# Allegro board LED_FIN.brd

Outline 317.7 x 402 mm; copper layers: TOP, BOTTOM. Coordinates in mm from the lower left corner of the outline.
Outline path: rectangle 0,0 317.7,402

## Design rules (mm)
nets with their own width: nets COL_CON_A0
nets with their own width: min track width 0.6; nets ROW_OUT_A0 ROW_OUT_A1 ROW_OUT_A2 ROW_OUT_A3 ROW_OUT_A4 ROW_OUT_A5 ROW_OUT_A6 ROW_OUT_A7 ROW_OUT_A8 ROW_OUT_A9 ROW_OUT_A10 ROW_OUT_A11 ROW_OUT_A12 ROW_OUT_A13 ROW_OUT_A14 ROW_OUT_A15 ROW_OUT_A16 ROW_OUT_A17 ROW_OUT_A18 ROW_OUT_A19 ROW_OUT_A20 ROW_OUT_A21 ROW_OUT_A22 ROW_OUT_A23 ROW_OUT_A24 ROW_OUT_A25 ROW_OUT_A26 ROW_OUT_A27 ROW_OUT_A28 ROW_OUT_A29 ROW_OUT_A30 ROW_OUT_A31 ROW_OUT_A32 ROW_OUT_A33 ROW_OUT_A34 ROW_OUT_A35 ROW_OUT_A36 ROW_OUT_A37 ROW_OUT_B0 ROW_OUT_B1 ROW_OUT_B2 ROW_OUT_B3 ROW_OUT_B4 ROW_OUT_B5 ROW_OUT_B6 ROW_OUT_B7 ROW_OUT_B8 ROW_OUT_B9 ROW_OUT_B10 ROW_OUT_B11 ROW_OUT_B12 ROW_OUT_B13 ROW_OUT_B14 ROW_OUT_B15 ROW_OUT_B16 ROW_OUT_B17 ROW_OUT_B18 ROW_OUT_B19 ROW_OUT_B20 ROW_OUT_B21 ROW_OUT_B22 ROW_OUT_B23 ROW_OUT_B24 ROW_OUT_B25 ROW_OUT_B26 ROW_OUT_B27 ROW_OUT_B28 ROW_OUT_B29 ROW_OUT_B30 ROW_OUT_B31 ROW_OUT_B32 ROW_OUT_B33 ROW_OUT_B34 ROW_OUT_B35 ROW_OUT_B36 ROW_OUT_B37 ROW_OUT_C0 ROW_OUT_C1 ROW_OUT_C2 ROW_OUT_C3 ROW_OUT_C4 ROW_OUT_C5 ROW_OUT_C6 ROW_OUT_C7 ROW_OUT_C8 ROW_OUT_C9 ROW_OUT_C10 ROW_OUT_C11 ROW_OUT_C12 ROW_OUT_C13 ROW_OUT_C14 ROW_OUT_C15 ROW_OUT_C16 ROW_OUT_C17 ROW_OUT_C18 ROW_OUT_C19 ROW_OUT_C20 ROW_OUT_C21 ROW_OUT_C22 ROW_OUT_C23 ROW_OUT_C24 ROW_OUT_C25 ROW_OUT_C26 ROW_OUT_C27 ROW_OUT_C28 ROW_OUT_C29 ROW_OUT_C30 ROW_OUT_C31 ROW_OUT_C32 ROW_OUT_C33 ROW_OUT_C34 ROW_OUT_C35 ROW_OUT_C36 ROW_OUT_C37
nets with their own width: min track width 1.5; nets 3.3V DC_LED
nets with their own width: min track width 3; nets DC_FPGA

## Placement (name value [footprint] x y rotation side)
CBST  100nF  [SMD_0402]  29.6 19.75 90 top
CBYP  1uF  [SMD_0402]  17.55 21.3 270 top
CCOMP1  5.6nF  [SMD_0402]  17.55 26.4 270 top
CCOMP2  150pF  [SMD_0402]  18.95 24.1 90 top
CCOMP3  1.5nF  [SMD_0402]  29.6 23.3 90 top
CIN  22uF  [SMD_0603]  17.45 31.75 270 top
COUT  47uF  [SMD_0603]  14 34.2 0 top
CSS  3.3uF  [SMD_0402]  17.55 28.1 270 top
CVCC  1uF  [SMD_0402]  17.55 29.8 270 top
D1  0603_LED  [0603_SINGLE]  37.25 392 0 top
D2  0603_LED  [0603_SINGLE]  39.25 392 0 top
D3  0603_LED  [0603_SINGLE]  41.25 392 0 top
D4  0603_LED  [0603_SINGLE]  43.25 392 0 top
D5  0603_LED  [0603_SINGLE]  45.25 392 0 top
D6  0603_LED  [0603_SINGLE]  47.25 392 0 top
D7  0603_LED  [0603_SINGLE]  49.25 392 0 top
D8  0603_LED  [0603_SINGLE]  51.25 392 0 top
D9  0603_LED  [0603_SINGLE]  53.25 392 0 top
D10  0603_LED  [0603_SINGLE]  55.25 392 0 top
D11  0603_LED  [0603_SINGLE]  57.25 392 0 top
D12  0603_LED  [0603_SINGLE]  59.25 392 0 top
D13  0603_LED  [0603_SINGLE]  61.25 392 0 top
D14  0603_LED  [0603_SINGLE]  63.25 392 0 top
D15  0603_LED  [0603_SINGLE]  65.25 392 0 top
D16  0603_LED  [0603_SINGLE]  67.25 392 0 top
D17  0603_LED  [0603_SINGLE]  69.25 392 0 top
D18  0603_LED  [0603_SINGLE]  71.25 392 0 top
D19  0603_LED  [0603_SINGLE]  73.25 392 0 top
D20  0603_LED  [0603_SINGLE]  75.25 392 0 top
D21  0603_LED  [0603_SINGLE]  77.25 392 0 top
D22  0603_LED  [0603_SINGLE]  79.25 392 0 top
D23  0603_LED  [0603_SINGLE]  81.25 392 0 top
D24  0603_LED  [0603_SINGLE]  83.25 392 0 top
D25  0603_LED  [0603_SINGLE]  85.25 392 0 top
D26  0603_LED  [0603_SINGLE]  87.25 392 0 top
D27  0603_LED  [0603_SINGLE]  89.25 392 0 top
D28  0603_LED  [0603_SINGLE]  91.25 392 0 top
D29  0603_LED  [0603_SINGLE]  93.25 392 0 top
D30  0603_LED  [0603_SINGLE]  95.25 392 0 top
D31  0603_LED  [0603_SINGLE]  37.25 390 0 top
D32  0603_LED  [0603_SINGLE]  39.25 390 0 top
D33  0603_LED  [0603_SINGLE]  41.25 390 0 top
D34  0603_LED  [0603_SINGLE]  43.25 390 0 top
D35  0603_LED  [0603_SINGLE]  45.25 390 0 top
D36  0603_LED  [0603_SINGLE]  47.25 390 0 top
D37  0603_LED  [0603_SINGLE]  49.25 390 0 top
D38  0603_LED  [0603_SINGLE]  51.25 390 0 top
D39  0603_LED  [0603_SINGLE]  53.25 390 0 top
D40  0603_LED  [0603_SINGLE]  55.25 390 0 top
D41  0603_LED  [0603_SINGLE]  57.25 390 0 top
D42  0603_LED  [0603_SINGLE]  59.25 390 0 top
D43  0603_LED  [0603_SINGLE]  61.25 390 0 top
D44  0603_LED  [0603_SINGLE]  63.25 390 0 top
D45  0603_LED  [0603_SINGLE]  65.25 390 0 top
D46  0603_LED  [0603_SINGLE]  67.25 390 0 top
D47  0603_LED  [0603_SINGLE]  69.25 390 0 top
D48  0603_LED  [0603_SINGLE]  71.25 390 0 top
D49  0603_LED  [0603_SINGLE]  73.25 390 0 top
D50  0603_LED  [0603_SINGLE]  75.25 390 0 top
D51  0603_LED  [0603_SINGLE]  77.25 390 0 top
D52  0603_LED  [0603_SINGLE]  79.25 390 0 top
D53  0603_LED  [0603_SINGLE]  81.25 390 0 top
D54  0603_LED  [0603_SINGLE]  83.25 390 0 top
D55  0603_LED  [0603_SINGLE]  85.25 390 0 top
D56  0603_LED  [0603_SINGLE]  87.25 390 0 top
D57  0603_LED  [0603_SINGLE]  89.25 390 0 top
D58  0603_LED  [0603_SINGLE]  91.25 390 0 top
D59  0603_LED  [0603_SINGLE]  93.25 390 0 top
D60  0603_LED  [0603_SINGLE]  95.25 390 0 top
D61  0603_LED  [0603_SINGLE]  37.25 388 0 top
D62  0603_LED  [0603_SINGLE]  39.25 388 0 top
D63  0603_LED  [0603_SINGLE]  41.25 388 0 top
D64  0603_LED  [0603_SINGLE]  43.25 388 0 top
D65  0603_LED  [0603_SINGLE]  45.25 388 0 top
D66  0603_LED  [0603_SINGLE]  47.25 388 0 top
D67  0603_LED  [0603_SINGLE]  49.25 388 0 top
D68  0603_LED  [0603_SINGLE]  51.25 388 0 top
D69  0603_LED  [0603_SINGLE]  53.25 388 0 top
D70  0603_LED  [0603_SINGLE]  55.25 388 0 top
D71  0603_LED  [0603_SINGLE]  57.25 388 0 top
D72  0603_LED  [0603_SINGLE]  59.25 388 0 top
D73  0603_LED  [0603_SINGLE]  61.25 388 0 top
D74  0603_LED  [0603_SINGLE]  63.25 388 0 top
D75  0603_LED  [0603_SINGLE]  65.25 388 0 top
D76  0603_LED  [0603_SINGLE]  67.25 388 0 top
D77  0603_LED  [0603_SINGLE]  69.25 388 0 top
D78  0603_LED  [0603_SINGLE]  71.25 388 0 top
D79  0603_LED  [0603_SINGLE]  73.25 388 0 top
D80  0603_LED  [0603_SINGLE]  75.25 388 0 top
D81  0603_LED  [0603_SINGLE]  77.25 388 0 top
D82  0603_LED  [0603_SINGLE]  79.25 388 0 top
D83  0603_LED  [0603_SINGLE]  81.25 388 0 top
D84  0603_LED  [0603_SINGLE]  83.25 388 0 top
D85  0603_LED  [0603_SINGLE]  85.25 388 0 top
D86  0603_LED  [0603_SINGLE]  87.25 388 0 top
D87  0603_LED  [0603_SINGLE]  89.25 388 0 top
D88  0603_LED  [0603_SINGLE]  91.25 388 0 top
D89  0603_LED  [0603_SINGLE]  93.25 388 0 top
D90  0603_LED  [0603_SINGLE]  95.25 388 0 top
D91  0603_LED  [0603_SINGLE]  37.25 386 0 top
D92  0603_LED  [0603_SINGLE]  39.25 386 0 top
D93  0603_LED  [0603_SINGLE]  41.25 386 0 top
D94  0603_LED  [0603_SINGLE]  43.25 386 0 top
D95  0603_LED  [0603_SINGLE]  45.25 386 0 top
D96  0603_LED  [0603_SINGLE]  47.25 386 0 top
D97  0603_LED  [0603_SINGLE]  49.25 386 0 top
D98  0603_LED  [0603_SINGLE]  51.25 386 0 top
D99  0603_LED  [0603_SINGLE]  53.25 386 0 top
D100  0603_LED  [0603_SINGLE]  55.25 386 0 top
D101  0603_LED  [0603_SINGLE]  57.25 386 0 top
D102  0603_LED  [0603_SINGLE]  59.25 386 0 top
D103  0603_LED  [0603_SINGLE]  61.25 386 0 top
D104  0603_LED  [0603_SINGLE]  63.25 386 0 top
D105  0603_LED  [0603_SINGLE]  65.25 386 0 top
D106  0603_LED  [0603_SINGLE]  67.25 386 0 top
D107  0603_LED  [0603_SINGLE]  69.25 386 0 top
D108  0603_LED  [0603_SINGLE]  71.25 386 0 top
D109  0603_LED  [0603_SINGLE]  73.25 386 0 top
D110  0603_LED  [0603_SINGLE]  75.25 386 0 top
D111  0603_LED  [0603_SINGLE]  77.25 386 0 top
D112  0603_LED  [0603_SINGLE]  79.25 386 0 top
D113  0603_LED  [0603_SINGLE]  81.25 386 0 top
D114  0603_LED  [0603_SINGLE]  83.25 386 0 top
D115  0603_LED  [0603_SINGLE]  85.25 386 0 top
D116  0603_LED  [0603_SINGLE]  87.25 386 0 top
D117  0603_LED  [0603_SINGLE]  89.25 386 0 top
D118  0603_LED  [0603_SINGLE]  91.25 386 0 top
D119  0603_LED  [0603_SINGLE]  93.25 386 0 top
D120  0603_LED  [0603_SINGLE]  95.25 386 0 top
D121  0603_LED  [0603_SINGLE]  37.25 384 0 top
D122  0603_LED  [0603_SINGLE]  39.25 384 0 top
D123  0603_LED  [0603_SINGLE]  41.25 384 0 top
D124  0603_LED  [0603_SINGLE]  43.25 384 0 top
D125  0603_LED  [0603_SINGLE]  45.25 384 0 top
D126  0603_LED  [0603_SINGLE]  47.25 384 0 top
D127  0603_LED  [0603_SINGLE]  49.25 384 0 top
D128  0603_LED  [0603_SINGLE]  51.25 384 0 top
D129  0603_LED  [0603_SINGLE]  53.25 384 0 top
D130  0603_LED  [0603_SINGLE]  55.25 384 0 top
D131  0603_LED  [0603_SINGLE]  57.25 384 0 top
D132  0603_LED  [0603_SINGLE]  59.25 384 0 top
D133  0603_LED  [0603_SINGLE]  61.25 384 0 top
D134  0603_LED  [0603_SINGLE]  63.25 384 0 top
D135  0603_LED  [0603_SINGLE]  65.25 384 0 top
D136  0603_LED  [0603_SINGLE]  67.25 384 0 top
D137  0603_LED  [0603_SINGLE]  69.25 384 0 top
D138  0603_LED  [0603_SINGLE]  71.25 384 0 top
D139  0603_LED  [0603_SINGLE]  73.25 384 0 top
D140  0603_LED  [0603_SINGLE]  75.25 384 0 top
D141  0603_LED  [0603_SINGLE]  77.25 384 0 top
D142  0603_LED  [0603_SINGLE]  79.25 384 0 top
D143  0603_LED  [0603_SINGLE]  81.25 384 0 top
D144  0603_LED  [0603_SINGLE]  83.25 384 0 top
D145  0603_LED  [0603_SINGLE]  85.25 384 0 top
D146  0603_LED  [0603_SINGLE]  87.25 384 0 top
D147  0603_LED  [0603_SINGLE]  89.25 384 0 top
D148  0603_LED  [0603_SINGLE]  91.25 384 0 top
D149  0603_LED  [0603_SINGLE]  93.25 384 0 top
D150  0603_LED  [0603_SINGLE]  95.25 384 0 top
D151  0603_LED  [0603_SINGLE]  37.25 382 0 top
D152  0603_LED  [0603_SINGLE]  39.25 382 0 top
D153  0603_LED  [0603_SINGLE]  41.25 382 0 top
D154  0603_LED  [0603_SINGLE]  43.25 382 0 top
D155  0603_LED  [0603_SINGLE]  45.25 382 0 top
D156  0603_LED  [0603_SINGLE]  47.25 382 0 top
D157  0603_LED  [0603_SINGLE]  49.25 382 0 top
D158  0603_LED  [0603_SINGLE]  51.25 382 0 top
D159  0603_LED  [0603_SINGLE]  53.25 382 0 top
D160  0603_LED  [0603_SINGLE]  55.25 382 0 top
D161  0603_LED  [0603_SINGLE]  57.25 382 0 top
D162  0603_LED  [0603_SINGLE]  59.25 382 0 top
D163  0603_LED  [0603_SINGLE]  61.25 382 0 top
D164  0603_LED  [0603_SINGLE]  63.25 382 0 top
D165  0603_LED  [0603_SINGLE]  65.25 382 0 top
D166  0603_LED  [0603_SINGLE]  67.25 382 0 top
D167  0603_LED  [0603_SINGLE]  69.25 382 0 top
D168  0603_LED  [0603_SINGLE]  71.25 382 0 top
D169  0603_LED  [0603_SINGLE]  73.25 382 0 top
D170  0603_LED  [0603_SINGLE]  75.25 382 0 top
D171  0603_LED  [0603_SINGLE]  77.25 382 0 top
D172  0603_LED  [0603_SINGLE]  79.25 382 0 top
D173  0603_LED  [0603_SINGLE]  81.25 382 0 top
D174  0603_LED  [0603_SINGLE]  83.25 382 0 top
D175  0603_LED  [0603_SINGLE]  85.25 382 0 top
D176  0603_LED  [0603_SINGLE]  87.25 382 0 top
D177  0603_LED  [0603_SINGLE]  89.25 382 0 top
D178  0603_LED  [0603_SINGLE]  91.25 382 0 top
D179  0603_LED  [0603_SINGLE]  93.25 382 0 top
D180  0603_LED  [0603_SINGLE]  95.25 382 0 top
D181  0603_LED  [0603_SINGLE]  37.25 380 0 top
D182  0603_LED  [0603_SINGLE]  39.25 380 0 top
D183  0603_LED  [0603_SINGLE]  41.25 380 0 top
D184  0603_LED  [0603_SINGLE]  43.25 380 0 top
D185  0603_LED  [0603_SINGLE]  45.25 380 0 top
D186  0603_LED  [0603_SINGLE]  47.25 380 0 top
D187  0603_LED  [0603_SINGLE]  49.25 380 0 top
D188  0603_LED  [0603_SINGLE]  51.25 380 0 top
D189  0603_LED  [0603_SINGLE]  53.25 380 0 top
D190  0603_LED  [0603_SINGLE]  55.25 380 0 top
D191  0603_LED  [0603_SINGLE]  57.25 380 0 top
D192  0603_LED  [0603_SINGLE]  59.25 380 0 top
D193  0603_LED  [0603_SINGLE]  61.25 380 0 top
D194  0603_LED  [0603_SINGLE]  63.25 380 0 top
D195  0603_LED  [0603_SINGLE]  65.25 380 0 top
D196  0603_LED  [0603_SINGLE]  67.25 380 0 top
D197  0603_LED  [0603_SINGLE]  69.25 380 0 top
D198  0603_LED  [0603_SINGLE]  71.25 380 0 top
D199  0603_LED  [0603_SINGLE]  73.25 380 0 top
D200  0603_LED  [0603_SINGLE]  75.25 380 0 top
D201  0603_LED  [0603_SINGLE]  77.25 380 0 top
D202  0603_LED  [0603_SINGLE]  79.25 380 0 top
D203  0603_LED  [0603_SINGLE]  81.25 380 0 top
D204  0603_LED  [0603_SINGLE]  83.25 380 0 top
D205  0603_LED  [0603_SINGLE]  85.25 380 0 top
D206  0603_LED  [0603_SINGLE]  87.25 380 0 top
D207  0603_LED  [0603_SINGLE]  89.25 380 0 top
D208  0603_LED  [0603_SINGLE]  91.25 380 0 top
D209  0603_LED  [0603_SINGLE]  93.25 380 0 top
D210  0603_LED  [0603_SINGLE]  95.25 380 0 top
D211  0603_LED  [0603_SINGLE]  37.25 378 0 top
D212  0603_LED  [0603_SINGLE]  39.25 378 0 top
D213  0603_LED  [0603_SINGLE]  41.25 378 0 top
D214  0603_LED  [0603_SINGLE]  43.25 378 0 top
D215  0603_LED  [0603_SINGLE]  45.25 378 0 top
D216  0603_LED  [0603_SINGLE]  47.25 378 0 top
D217  0603_LED  [0603_SINGLE]  49.25 378 0 top
D218  0603_LED  [0603_SINGLE]  51.25 378 0 top
D219  0603_LED  [0603_SINGLE]  53.25 378 0 top
D220  0603_LED  [0603_SINGLE]  55.25 378 0 top
D221  0603_LED  [0603_SINGLE]  57.25 378 0 top
D222  0603_LED  [0603_SINGLE]  59.25 378 0 top
D223  0603_LED  [0603_SINGLE]  61.25 378 0 top
D224  0603_LED  [0603_SINGLE]  63.25 378 0 top
D225  0603_LED  [0603_SINGLE]  65.25 378 0 top
D226  0603_LED  [0603_SINGLE]  67.25 378 0 top
D227  0603_LED  [0603_SINGLE]  69.25 378 0 top
D228  0603_LED  [0603_SINGLE]  71.25 378 0 top
D229  0603_LED  [0603_SINGLE]  73.25 378 0 top
D230  0603_LED  [0603_SINGLE]  75.25 378 0 top
D231  0603_LED  [0603_SINGLE]  77.25 378 0 top
D232  0603_LED  [0603_SINGLE]  79.25 378 0 top
D233  0603_LED  [0603_SINGLE]  81.25 378 0 top
D234  0603_LED  [0603_SINGLE]  83.25 378 0 top
D235  0603_LED  [0603_SINGLE]  85.25 378 0 top
D236  0603_LED  [0603_SINGLE]  87.25 378 0 top
D237  0603_LED  [0603_SINGLE]  89.25 378 0 top
D238  0603_LED  [0603_SINGLE]  91.25 378 0 top
D239  0603_LED  [0603_SINGLE]  93.25 378 0 top
D240  0603_LED  [0603_SINGLE]  95.25 378 0 top
D241  0603_LED  [0603_SINGLE]  37.25 376 0 top
D242  0603_LED  [0603_SINGLE]  39.25 376 0 top
D243  0603_LED  [0603_SINGLE]  41.25 376 0 top
D244  0603_LED  [0603_SINGLE]  43.25 376 0 top
D245  0603_LED  [0603_SINGLE]  45.25 376 0 top
D246  0603_LED  [0603_SINGLE]  47.25 376 0 top
D247  0603_LED  [0603_SINGLE]  49.25 376 0 top
D248  0603_LED  [0603_SINGLE]  51.25 376 0 top
D249  0603_LED  [0603_SINGLE]  53.25 376 0 top
D250  0603_LED  [0603_SINGLE]  55.25 376 0 top
D251  0603_LED  [0603_SINGLE]  57.25 376 0 top
D252  0603_LED  [0603_SINGLE]  59.25 376 0 top
D253  0603_LED  [0603_SINGLE]  61.25 376 0 top
D254  0603_LED  [0603_SINGLE]  63.25 376 0 top
D255  0603_LED  [0603_SINGLE]  65.25 376 0 top
D256  0603_LED  [0603_SINGLE]  67.25 376 0 top
D257  0603_LED  [0603_SINGLE]  69.25 376 0 top
D258  0603_LED  [0603_SINGLE]  71.25 376 0 top
D259  0603_LED  [0603_SINGLE]  73.25 376 0 top
D260  0603_LED  [0603_SINGLE]  75.25 376 0 top
D261  0603_LED  [0603_SINGLE]  77.25 376 0 top
D262  0603_LED  [0603_SINGLE]  79.25 376 0 top
D263  0603_LED  [0603_SINGLE]  81.25 376 0 top
D264  0603_LED  [0603_SINGLE]  83.25 376 0 top
D265  0603_LED  [0603_SINGLE]  85.25 376 0 top
D266  0603_LED  [0603_SINGLE]  87.25 376 0 top
D267  0603_LED  [0603_SINGLE]  89.25 376 0 top
D268  0603_LED  [0603_SINGLE]  91.25 376 0 top
D269  0603_LED  [0603_SINGLE]  93.25 376 0 top
D270  0603_LED  [0603_SINGLE]  95.25 376 0 top
D271  0603_LED  [0603_SINGLE]  37.25 374 0 top
D272  0603_LED  [0603_SINGLE]  39.25 374 0 top
D273  0603_LED  [0603_SINGLE]  41.25 374 0 top
D274  0603_LED  [0603_SINGLE]  43.25 374 0 top
D275  0603_LED  [0603_SINGLE]  45.25 374 0 top
D276  0603_LED  [0603_SINGLE]  47.25 374 0 top
D277  0603_LED  [0603_SINGLE]  49.25 374 0 top
D278  0603_LED  [0603_SINGLE]  51.25 374 0 top
D279  0603_LED  [0603_SINGLE]  53.25 374 0 top
D280  0603_LED  [0603_SINGLE]  55.25 374 0 top
D281  0603_LED  [0603_SINGLE]  57.25 374 0 top
D282  0603_LED  [0603_SINGLE]  59.25 374 0 top
D283  0603_LED  [0603_SINGLE]  61.25 374 0 top
D284  0603_LED  [0603_SINGLE]  63.25 374 0 top
D285  0603_LED  [0603_SINGLE]  65.25 374 0 top
D286  0603_LED  [0603_SINGLE]  67.25 374 0 top
D287  0603_LED  [0603_SINGLE]  69.25 374 0 top
D288  0603_LED  [0603_SINGLE]  71.25 374 0 top
D289  0603_LED  [0603_SINGLE]  73.25 374 0 top
D290  0603_LED  [0603_SINGLE]  75.25 374 0 top
D291  0603_LED  [0603_SINGLE]  77.25 374 0 top
D292  0603_LED  [0603_SINGLE]  79.25 374 0 top
D293  0603_LED  [0603_SINGLE]  81.25 374 0 top
D294  0603_LED  [0603_SINGLE]  83.25 374 0 top
D295  0603_LED  [0603_SINGLE]  85.25 374 0 top
D296  0603_LED  [0603_SINGLE]  87.25 374 0 top
D297  0603_LED  [0603_SINGLE]  89.25 374 0 top
D298  0603_LED  [0603_SINGLE]  91.25 374 0 top
D299  0603_LED  [0603_SINGLE]  93.25 374 0 top
D300  0603_LED  [0603_SINGLE]  95.25 374 0 top
D301  0603_LED  [0603_SINGLE]  37.25 372 0 top
D302  0603_LED  [0603_SINGLE]  39.25 372 0 top
D303  0603_LED  [0603_SINGLE]  41.25 372 0 top
D304  0603_LED  [0603_SINGLE]  43.25 372 0 top
D305  0603_LED  [0603_SINGLE]  45.25 372 0 top
D306  0603_LED  [0603_SINGLE]  47.25 372 0 top
D307  0603_LED  [0603_SINGLE]  49.25 372 0 top
D308  0603_LED  [0603_SINGLE]  51.25 372 0 top
D309  0603_LED  [0603_SINGLE]  53.25 372 0 top
D310  0603_LED  [0603_SINGLE]  55.25 372 0 top
D311  0603_LED  [0603_SINGLE]  57.25 372 0 top
D312  0603_LED  [0603_SINGLE]  59.25 372 0 top
D313  0603_LED  [0603_SINGLE]  61.25 372 0 top
D314  0603_LED  [0603_SINGLE]  63.25 372 0 top
D315  0603_LED  [0603_SINGLE]  65.25 372 0 top
D316  0603_LED  [0603_SINGLE]  67.25 372 0 top
D317  0603_LED  [0603_SINGLE]  69.25 372 0 top
D318  0603_LED  [0603_SINGLE]  71.25 372 0 top
D319  0603_LED  [0603_SINGLE]  73.25 372 0 top
D320  0603_LED  [0603_SINGLE]  75.25 372 0 top
D321  0603_LED  [0603_SINGLE]  77.25 372 0 top
D322  0603_LED  [0603_SINGLE]  79.25 372 0 top
D323  0603_LED  [0603_SINGLE]  81.25 372 0 top
D324  0603_LED  [0603_SINGLE]  83.25 372 0 top
D325  0603_LED  [0603_SINGLE]  85.25 372 0 top
D326  0603_LED  [0603_SINGLE]  87.25 372 0 top
D327  0603_LED  [0603_SINGLE]  89.25 372 0 top
D328  0603_LED  [0603_SINGLE]  91.25 372 0 top
D329  0603_LED  [0603_SINGLE]  93.25 372 0 top
D330  0603_LED  [0603_SINGLE]  95.25 372 0 top
D331  0603_LED  [0603_SINGLE]  37.25 370 0 top
D332  0603_LED  [0603_SINGLE]  39.25 370 0 top
D333  0603_LED  [0603_SINGLE]  41.25 370 0 top
D334  0603_LED  [0603_SINGLE]  43.25 370 0 top
D335  0603_LED  [0603_SINGLE]  45.25 370 0 top
D336  0603_LED  [0603_SINGLE]  47.25 370 0 top
D337  0603_LED  [0603_SINGLE]  49.25 370 0 top
D338  0603_LED  [0603_SINGLE]  51.25 370 0 top
D339  0603_LED  [0603_SINGLE]  53.25 370 0 top
D340  0603_LED  [0603_SINGLE]  55.25 370 0 top
D341  0603_LED  [0603_SINGLE]  57.25 370 0 top
D342  0603_LED  [0603_SINGLE]  59.25 370 0 top
D343  0603_LED  [0603_SINGLE]  61.25 370 0 top
D344  0603_LED  [0603_SINGLE]  63.25 370 0 top
D345  0603_LED  [0603_SINGLE]  65.25 370 0 top
D346  0603_LED  [0603_SINGLE]  67.25 370 0 top
D347  0603_LED  [0603_SINGLE]  69.25 370 0 top
D348  0603_LED  [0603_SINGLE]  71.25 370 0 top
D349  0603_LED  [0603_SINGLE]  73.25 370 0 top
D350  0603_LED  [0603_SINGLE]  75.25 370 0 top
D351  0603_LED  [0603_SINGLE]  77.25 370 0 top
D352  0603_LED  [0603_SINGLE]  79.25 370 0 top
D353  0603_LED  [0603_SINGLE]  81.25 370 0 top
D354  0603_LED  [0603_SINGLE]  83.25 370 0 top
D355  0603_LED  [0603_SINGLE]  85.25 370 0 top
D356  0603_LED  [0603_SINGLE]  87.25 370 0 top
D357  0603_LED  [0603_SINGLE]  89.25 370 0 top
D358  0603_LED  [0603_SINGLE]  91.25 370 0 top
D359  0603_LED  [0603_SINGLE]  93.25 370 0 top
D360  0603_LED  [0603_SINGLE]  95.25 370 0 top
D361  0603_LED  [0603_SINGLE]  37.25 368 0 top
D362  0603_LED  [0603_SINGLE]  39.25 368 0 top
D363  0603_LED  [0603_SINGLE]  41.25 368 0 top
D364  0603_LED  [0603_SINGLE]  43.25 368 0 top
D365  0603_LED  [0603_SINGLE]  45.25 368 0 top
D366  0603_LED  [0603_SINGLE]  47.25 368 0 top
D367  0603_LED  [0603_SINGLE]  49.25 368 0 top
D368  0603_LED  [0603_SINGLE]  51.25 368 0 top
D369  0603_LED  [0603_SINGLE]  53.25 368 0 top
D370  0603_LED  [0603_SINGLE]  55.25 368 0 top
D371  0603_LED  [0603_SINGLE]  57.25 368 0 top
D372  0603_LED  [0603_SINGLE]  59.25 368 0 top
D373  0603_LED  [0603_SINGLE]  61.25 368 0 top
D374  0603_LED  [0603_SINGLE]  63.25 368 0 top
D375  0603_LED  [0603_SINGLE]  65.25 368 0 top
D376  0603_LED  [0603_SINGLE]  67.25 368 0 top
D377  0603_LED  [0603_SINGLE]  69.25 368 0 top
D378  0603_LED  [0603_SINGLE]  71.25 368 0 top
D379  0603_LED  [0603_SINGLE]  73.25 368 0 top
D380  0603_LED  [0603_SINGLE]  75.25 368 0 top
D381  0603_LED  [0603_SINGLE]  77.25 368 0 top
D382  0603_LED  [0603_SINGLE]  79.25 368 0 top
D383  0603_LED  [0603_SINGLE]  81.25 368 0 top
D384  0603_LED  [0603_SINGLE]  83.25 368 0 top
D385  0603_LED  [0603_SINGLE]  85.25 368 0 top
D386  0603_LED  [0603_SINGLE]  87.25 368 0 top
D387  0603_LED  [0603_SINGLE]  89.25 368 0 top
D388  0603_LED  [0603_SINGLE]  91.25 368 0 top
D389  0603_LED  [0603_SINGLE]  93.25 368 0 top
D390  0603_LED  [0603_SINGLE]  95.25 368 0 top
D391  0603_LED  [0603_SINGLE]  37.25 366 0 top
D392  0603_LED  [0603_SINGLE]  39.25 366 0 top
D393  0603_LED  [0603_SINGLE]  41.25 366 0 top
D394  0603_LED  [0603_SINGLE]  43.25 366 0 top
D395  0603_LED  [0603_SINGLE]  45.25 366 0 top
D396  0603_LED  [0603_SINGLE]  47.25 366 0 top
D397  0603_LED  [0603_SINGLE]  49.25 366 0 top
D398  0603_LED  [0603_SINGLE]  51.25 366 0 top
D399  0603_LED  [0603_SINGLE]  53.25 366 0 top
D400  0603_LED  [0603_SINGLE]  55.25 366 0 top
D401  0603_LED  [0603_SINGLE]  57.25 366 0 top
D402  0603_LED  [0603_SINGLE]  59.25 366 0 top
D403  0603_LED  [0603_SINGLE]  61.25 366 0 top
D404  0603_LED  [0603_SINGLE]  63.25 366 0 top
D405  0603_LED  [0603_SINGLE]  65.25 366 0 top
D406  0603_LED  [0603_SINGLE]  67.25 366 0 top
D407  0603_LED  [0603_SINGLE]  69.25 366 0 top
D408  0603_LED  [0603_SINGLE]  71.25 366 0 top
D409  0603_LED  [0603_SINGLE]  73.25 366 0 top
D410  0603_LED  [0603_SINGLE]  75.25 366 0 top
D411  0603_LED  [0603_SINGLE]  77.25 366 0 top
D412  0603_LED  [0603_SINGLE]  79.25 366 0 top
D413  0603_LED  [0603_SINGLE]  81.25 366 0 top
D414  0603_LED  [0603_SINGLE]  83.25 366 0 top
D415  0603_LED  [0603_SINGLE]  85.25 366 0 top
D416  0603_LED  [0603_SINGLE]  87.25 366 0 top
D417  0603_LED  [0603_SINGLE]  89.25 366 0 top
D418  0603_LED  [0603_SINGLE]  91.25 366 0 top
D419  0603_LED  [0603_SINGLE]  93.25 366 0 top
D420  0603_LED  [0603_SINGLE]  95.25 366 0 top
D421  0603_LED  [0603_SINGLE]  37.25 364 0 top
D422  0603_LED  [0603_SINGLE]  39.25 364 0 top
D423  0603_LED  [0603_SINGLE]  41.25 364 0 top
D424  0603_LED  [0603_SINGLE]  43.25 364 0 top
D425  0603_LED  [0603_SINGLE]  45.25 364 0 top
D426  0603_LED  [0603_SINGLE]  47.25 364 0 top
D427  0603_LED  [0603_SINGLE]  49.25 364 0 top
D428  0603_LED  [0603_SINGLE]  51.25 364 0 top
D429  0603_LED  [0603_SINGLE]  53.25 364 0 top
D430  0603_LED  [0603_SINGLE]  55.25 364 0 top
D431  0603_LED  [0603_SINGLE]  57.25 364 0 top
D432  0603_LED  [0603_SINGLE]  59.25 364 0 top
D433  0603_LED  [0603_SINGLE]  61.25 364 0 top
D434  0603_LED  [0603_SINGLE]  63.25 364 0 top
D435  0603_LED  [0603_SINGLE]  65.25 364 0 top
D436  0603_LED  [0603_SINGLE]  67.25 364 0 top
D437  0603_LED  [0603_SINGLE]  69.25 364 0 top
D438  0603_LED  [0603_SINGLE]  71.25 364 0 top
D439  0603_LED  [0603_SINGLE]  73.25 364 0 top
D440  0603_LED  [0603_SINGLE]  75.25 364 0 top
D441  0603_LED  [0603_SINGLE]  77.25 364 0 top
D442  0603_LED  [0603_SINGLE]  79.25 364 0 top
D443  0603_LED  [0603_SINGLE]  81.25 364 0 top
D444  0603_LED  [0603_SINGLE]  83.25 364 0 top
D445  0603_LED  [0603_SINGLE]  85.25 364 0 top
D446  0603_LED  [0603_SINGLE]  87.25 364 0 top
D447  0603_LED  [0603_SINGLE]  89.25 364 0 top
D448  0603_LED  [0603_SINGLE]  91.25 364 0 top
D449  0603_LED  [0603_SINGLE]  93.25 364 0 top
D450  0603_LED  [0603_SINGLE]  95.25 364 0 top
D451  0603_LED  [0603_SINGLE]  37.25 362 0 top
D452  0603_LED  [0603_SINGLE]  39.25 362 0 top
D453  0603_LED  [0603_SINGLE]  41.25 362 0 top
D454  0603_LED  [0603_SINGLE]  43.25 362 0 top
D455  0603_LED  [0603_SINGLE]  45.25 362 0 top
D456  0603_LED  [0603_SINGLE]  47.25 362 0 top
D457  0603_LED  [0603_SINGLE]  49.25 362 0 top
D458  0603_LED  [0603_SINGLE]  51.25 362 0 top
D459  0603_LED  [0603_SINGLE]  53.25 362 0 top
D460  0603_LED  [0603_SINGLE]  55.25 362 0 top
D461  0603_LED  [0603_SINGLE]  57.25 362 0 top
D462  0603_LED  [0603_SINGLE]  59.25 362 0 top
D463  0603_LED  [0603_SINGLE]  61.25 362 0 top
D464  0603_LED  [0603_SINGLE]  63.25 362 0 top
D465  0603_LED  [0603_SINGLE]  65.25 362 0 top
D466  0603_LED  [0603_SINGLE]  67.25 362 0 top
D467  0603_LED  [0603_SINGLE]  69.25 362 0 top
D468  0603_LED  [0603_SINGLE]  71.25 362 0 top
D469  0603_LED  [0603_SINGLE]  73.25 362 0 top
D470  0603_LED  [0603_SINGLE]  75.25 362 0 top
D471  0603_LED  [0603_SINGLE]  77.25 362 0 top
D472  0603_LED  [0603_SINGLE]  79.25 362 0 top
D473  0603_LED  [0603_SINGLE]  81.25 362 0 top
D474  0603_LED  [0603_SINGLE]  83.25 362 0 top
D475  0603_LED  [0603_SINGLE]  85.25 362 0 top
D476  0603_LED  [0603_SINGLE]  87.25 362 0 top
D477  0603_LED  [0603_SINGLE]  89.25 362 0 top
D478  0603_LED  [0603_SINGLE]  91.25 362 0 top
D479  0603_LED  [0603_SINGLE]  93.25 362 0 top
D480  0603_LED  [0603_SINGLE]  95.25 362 0 top
D481  0603_LED  [0603_SINGLE]  37.25 360 0 top
D482  0603_LED  [0603_SINGLE]  39.25 360 0 top
D483  0603_LED  [0603_SINGLE]  41.25 360 0 top
D484  0603_LED  [0603_SINGLE]  43.25 360 0 top
D485  0603_LED  [0603_SINGLE]  45.25 360 0 top
D486  0603_LED  [0603_SINGLE]  47.25 360 0 top
D487  0603_LED  [0603_SINGLE]  49.25 360 0 top